# Altium PCB Adapter_USB3_to_M2_E.PcbDoc (part 2 of 2)
Units mm, origin at the board's own origin, x right, y up, seen from the top; angles counter-clockwise.
Board outline 62 x 34 mm, 4 copper layers (01_Top, 02_GND, 03_GND, 04_Bottom), stack 1.002 mm thick; 60 components, 56 nets, 281 pads, 608 vias.
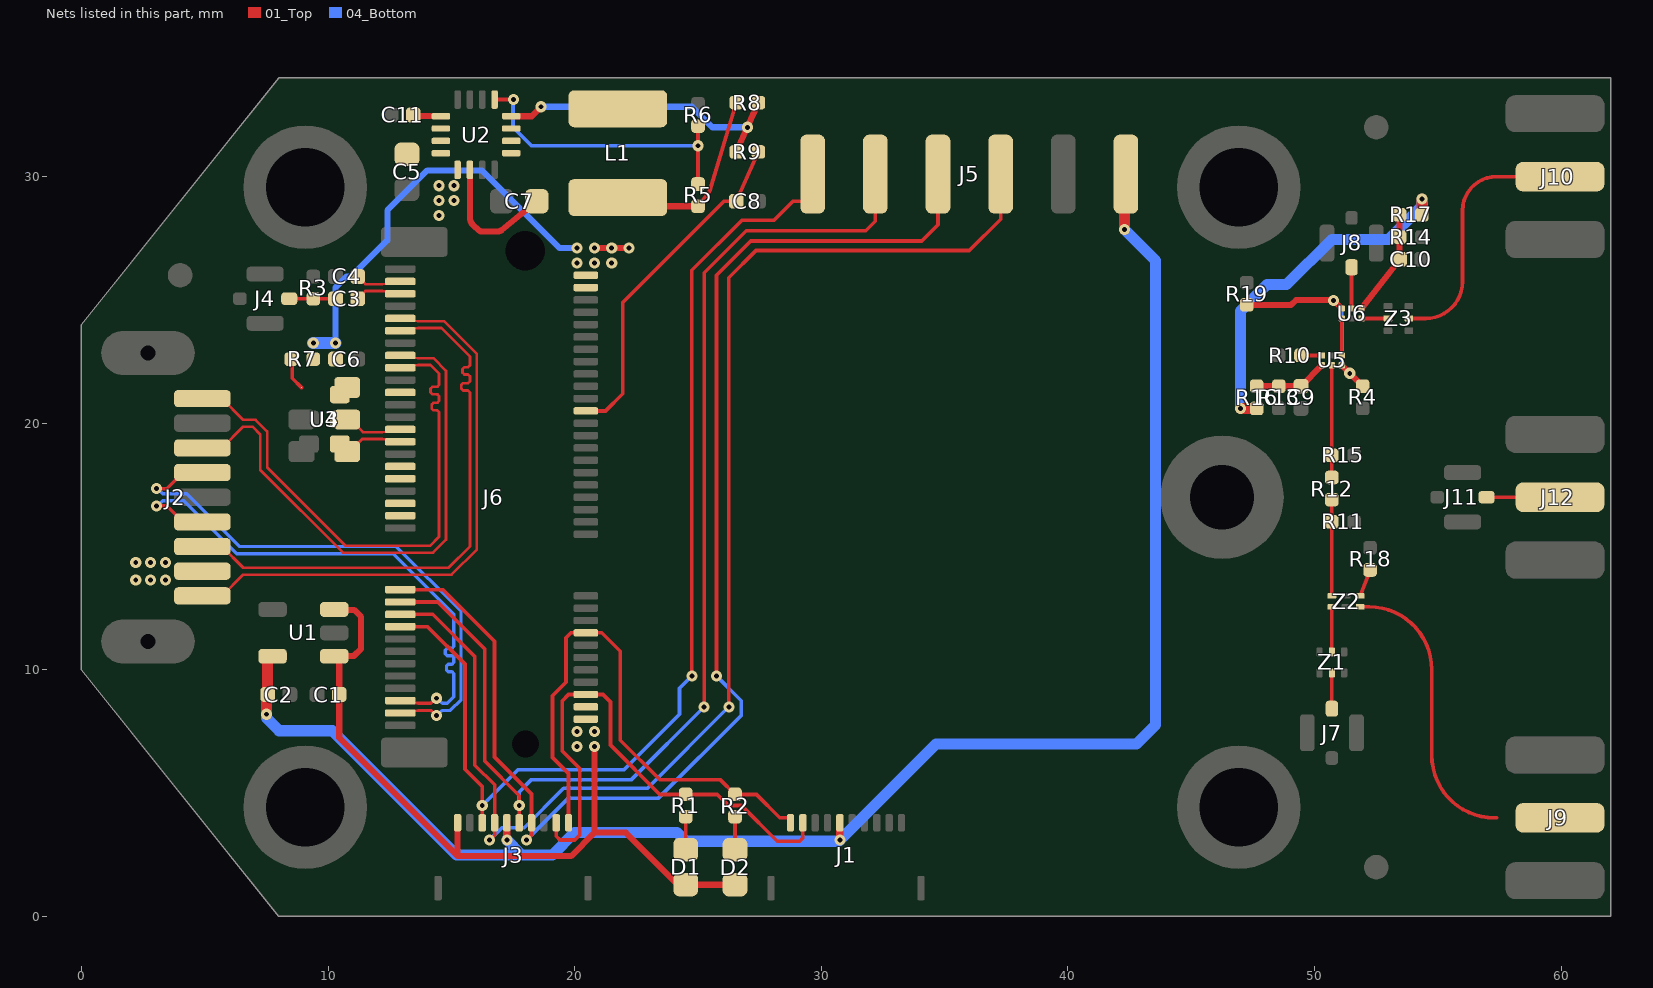
[diagram p4: the nets of this part, all layers, seen from the top]

## Via types
v1: diameter 0.45, hole 0.2, 01_Top to 04_Bottom, tented both sides, 608 vias

## Nets (pads, with @x,y where several pads share a name; then routed paths per layer and width w, separated by ;. In a path a pad name is that pad's centre, name@x,y a point inside that pad or via, vN(x,y) a via of type N, cw(c..) or ccw(c..) an arc to the next point about the centre after c; other vN are vias at no path point) (continued)
LED1#: J1.2 J3.9 J6.6 R1.2 | length 21.4
  01_Top w0.15: J3.9@19.25,3.8 19.25,3.25 19.4,3.1 20,3.1 20.2,3.3 20.2,6 19.5,6.7 19.5,8.75 19.75,9 J6.6@20.45,9 21.15,9 21.45,8.7 21.45,6.95 23.45,4.95 R1.2@24.5,4.95 25.783,4.95 26.233,4.5 26.767,4.5 28.213,3.054 29.122,3.054 29.25,3.182 J1.2@29.25,3.8
LED2#: J1.1 J3.10 J6.16 R2.2 | length 22.6
  01_Top w0.15: J3.10@19.75,3.8 19.75,5.8 19.1,6.45 19.1,8.95 19.65,9.5 19.65,11.3 19.85,11.5 J6.16@20.45,11.5 21.1,11.5 21.85,10.75 21.85,7.15 23.45,5.55 25.893,5.55 R2.2@26.505,4.938 ; R2.2@26.5,4.95 27.367,4.95 28.317,4 28.675,4 28.75,3.925 J1.1@28.75,3.8
NetC9_1: C9.1 R13.2 R16.1 U5.4 | length 3
  01_Top w0.25: R16.1@47.65,21.5 C9.1@49.45,21.5 U5.4@50.3,22.35
NetC10_1: C10.1 R14.2 R17.1 U6.4 | length 4.2
  01_Top w0.24: U6.4@51.9,24.65 53.456,26.645 C10.1@53.457,26.646 ; C10.1@53.45,26.65 53.45,27.3 R14.2@53.45,27.55 R17.1@53.45,28.3
NetC11_2: C11.2 U2.9 | length 1.1
  01_Top w0.25: C11.2@13.45,32.5 13.495,32.455 14.57,32.455 U2.9@14.575,32.45
NetD1_C: D1.C R1.1 | length 1.3
  01_Top w0.15: D1.C@24.5,2.71 R1.1@24.5,4.05
NetD2_C: D2.C R2.1 | length 1.3
  01_Top w0.15: D2.C@26.5,2.71 R2.1@26.5,4.05
NetJ7_1: J7.1 Z1.1 | length 1.4
  01_Top w0.15: J7.1@50.7,8.425 Z1.1@50.7,9.84
NetJ8_1: J8.1 U6.5 | length 1.7
  01_Top w0.15: U6.5@51.5,24.65 J8.1@51.5,26.325
NetJ9_1: J9.1 Z2.3 | length 11.9
  01_Top w0.15: Z2.3@51.845,12.555 52.21,12.555 cw(c52.21,10.015) 54.75,10.015 54.75,6.54 ccw(c57.29,6.54) 57.29,4 57.375,4
NetJ10_1: J10.1 Z3.1 | length 10.6
  01_Top w0.15: Z3.1@53.825,24.25 54.5,24.25 ccw(c54.5,25.75) 56,25.75 56,28.625 cw(c57.375,28.625) 57.375,30 J10.1@59.95,30
NetJ11_1: J11.1 J12.1 | length 3
  01_Top w0.15: J11.1@56.975,17 J12.1@59.95,17
NetL1_1: L1.1 U2.1 U2.2 U2.3
NetR5_1: R5.1 R6.2 U2.5 | length 12.1
  01_Top w0.15: U2.5@16.75,33.125 16.754,33.129 v1(17.517,33.129) ; R5.1@25,29.7 v1(25,31.25) R6.2@25,32.05
  04_Bottom w0.15: v1(17.517,33.129) 17.5,33.112 17.5,32 18.25,31.25 v1(25,31.25)
NetR7_1: R7.1 U3.1 U4.1 | length 1.3
  01_Top w0.15: R7.1@8.5,22.6 8.55,22.55 8.55,21.825 U4.1@8.925,21.45
NetR10_1: R10.1 U5.3 | length 0.9
  01_Top w0.15: R10.1@49.45,22.75 U5.3@50.3,22.75
NetR11_1: R11.1 R12.2 Z2.6 | length 3.9
  01_Top w0.15: Z2.6@50.7,13 R11.1@50.7,16 R12.2@50.7,16.9
NetR12_1: R12.1 R15.1 U5.5 | length 4.6
  01_Top w0.15: R12.1@50.7,17.8 R15.1@50.7,18.7 U5.5@50.7,22.35
NetR18_2: R18.2 Z2.4 | length 1.1
  01_Top w0.15: Z2.4@51.845,13 R18.2@52.25,14.05
NetU5_1: U5.1 U6.1 | length 1.5
  01_Top w0.15: U5.1@51.1,22.75 U6.1@51.1,24.25
NetU6_3: U6.3 Z3.3 | length 1.1
  01_Top w0.15: U6.3@51.89,24.24 U6.3@51.9,24.25 Z3.3@52.975,24.25 Z3.3@53,24.25
NetZ1_3: Z1.3 Z2.1 | length 1.8
  01_Top w0.15: Z1.3@50.7,10.725 Z2.1@50.7,12.55
PCI_REF_CLK_N: J6.49 U3.5 U4.5 | length 2.4
  01_Top w0.11: U4.5@10.775,20.15 10.9,20.15 11.41,19.64 12.2,19.64 J6.49@12.925,19.75
PCI_REF_CLK_P: J6.47 U3.4 U4.4 | length 2.4
  01_Top w0.11: U4.4@10.775,18.85 10.875,18.85 11.385,19.36 12.2,19.36 J6.47@12.925,19.25
PCI_RX0_N: J6.41
PCI_RX0_P: J6.43
PCI_RX1_N: J2.8 J6.65 | length 23.5
  01_Top w0.11: J2.8@4.9,15 5.7,15 6.56,14.14 14.89,14.14 15.75,15 15.75,21.25 15.675,21.325 15.475,21.325 15.4,21.4 15.4,21.55 15.475,21.625 15.675,21.625 15.75,21.7 15.75,21.9 15.675,21.975 15.525,21.975 15.45,22.05 15.45,22.2 15.525,22.275 15.675,22.275 15.75,22.35 15.75,22.7 14.59,23.86 13.65,23.86 J6.65@12.925,23.75
PCI_RX1_P: J2.9 J6.67 | length 23.5
  01_Top w0.11: J2.9@4.9,13 5.7,13 6.56,13.86 15.006,13.86 16.03,14.884 16.03,22.816 14.706,24.14 13.65,24.14 J6.67@12.925,24.25
PCI_TX0_N: J6.37
PCI_TX0_P: J6.35
PCI_TX1_N: J2.5 J6.59 | length 22.4
  01_Top w0.11: J2.5@4.9,21 5.7,21 6.56,20.14 7.056,20.14 7.53,19.666 7.53,18.216 10.716,15.03 14.134,15.03 14.5,15.396 14.5,20.45 14.425,20.525 14.275,20.525 14.2,20.6 14.2,20.75 14.275,20.825 14.425,20.825 14.5,20.9 14.5,21.1 14.425,21.175 14.225,21.175 14.15,21.25 14.15,21.4 14.225,21.475 14.425,21.475 14.5,21.55 14.5,22.01 14.15,22.36 13.65,22.36 J6.59@12.925,22.25
PCI_TX1_P: J2.6 J6.61 | length 22.3
  01_Top w0.11: J2.6@4.9,19 5.7,19 6.56,19.86 6.94,19.86 7.25,19.55 7.25,18.1 10.6,14.75 14.25,14.75 14.78,15.28 14.78,22.126 14.266,22.64 13.65,22.64 J6.61@12.925,22.75
PERST#: C8.2 J6.52 R9.1 | length 14
  01_Top w0.15: J6.52@20.45,20.5 21.25,20.5 21.95,21.2 21.95,24.9 26.05,29 C8.2@26.55,29 R9.1@27.45,31
PEWAKE#: J6.55
PG3V3: R8.1 R9.2 U2.4 | length 12.3
  01_Top w0.25: U2.4@17.425,32.45 18.258,32.45 v1(18.641,32.833) ; R9.2@26.55,31 27.002,32.005 R8.1@27.45,33
  04_Bottom w0.25: v1(18.641,32.833) 24.751,32.833 25.584,32 v1(27.013,32)
REFCLK1: C3.1 J4.1 R3.1 | length 1.9
  01_Top w0.15: J4.1@8.425,25.05 R3.1@9.4,25.05 C3.1@10.3,25.05
REFCLK1_N: C4.2 J6.73 | length 1.9
  01_Top w0.11: C4.2@11.2,25.95 11.51,25.64 12.2,25.64 J6.73@12.925,25.75
REFCLK1_P: C3.2 J6.71 | length 1.9
  01_Top w0.11: C3.2@11.2,25.05 11.51,25.36 12.2,25.36 J6.71@12.925,25.25
SWCTL: R4.2 R19.2 U5.6 U6.6 | length 8.5
  01_Top w0.24: R19.2@47.25,24.8 49.05,24.8 49.25,25 50.75,25 v1(50.775,24.975) U6.6@51.1,24.65 ; U5.6@51.1,22.35 v1(51.425,22.025) R4.2@51.95,21.5
  04_Bottom w0.15: v1(50.775,24.975) 51.1,24.65 51.1,22.35 v1(51.425,22.025)
TCK: J3.4 J5.4 J6.19 | length 54.8
  01_Top w0.14: J6.19@12.925,12.25 14.243,12.25 15.95,10.543 15.95,6.134 16.75,5.334 J3.4@16.75,3.8 16.75,3.3 v1(16.55,3.1)
  01_Top w0.15: v1(26.25,8.5) 26.25,25.9 27.35,27 36,27 37.27,28.27 J5.4@37.27,30.1
  04_Bottom w0.15: v1(16.55,3.1) 17.05,3.6 17.95,3.6 19.55,5.2 22.95,5.2 v1(26.25,8.5)
TDI: J3.6 J5.2 J6.21 | length 48.6
  01_Top w0.15: J6.21@12.925,12.75 14.45,12.75 16.35,10.85 16.35,6.3 17.75,4.9 J3.6@17.75,3.8 ; v1(25.25,8.5) 25.25,26.1 26.956,27.806 31.806,27.806 32.19,28.19 J5.2@32.19,30.1
  04_Bottom w0.15: v1(17.75,4.5) 17.75,5.05 18.25,5.55 22.3,5.55 v1(25.25,8.5)
TDO: J3.7 J5.3 J6.23 | length 54.4
  01_Top w0.15: J6.23@12.925,13.25 14.657,13.25 16.75,11.157 16.75,6.466 18.25,4.966 J3.7@18.25,3.8 18.25,3.3 v1(18.05,3.1) ; v1(25.75,9.75) 25.75,26 27.139,27.389 34.073,27.389 34.73,28.046 J5.3@34.73,30.1
  04_Bottom w0.15: v1(18.05,3.1) 19.75,4.8 23.4,4.8 26.75,8.15 26.75,8.75 v1(25.75,9.75)
TMS: J3.3 J5.1 J6.17 | length 44.6
  01_Top w0.15: J6.17@12.925,11.75 14.036,11.75 15.55,10.236 15.55,5.969 16.25,5.269 v1(16.25,4.5) J3.3@16.25,3.8 ; v1(24.75,9.75) 24.75,26.2 26.779,28.229 28.079,28.229 28.85,29 29.238,29 29.65,29.412 J5.1@29.65,30.1
  04_Bottom w0.15: v1(16.25,4.5) 16.8,5.05 17.7,5.95 22,5.95 24.25,8.2 24.25,9.25 v1(24.75,9.75)
USB_D_N: J2.2 J6.5 | length 22.9
  01_Top w0.135: v1(3.05,16.65) 3.45,16.65 4.1,16 J2.2@4.9,16 ; J6.5@12.925,8.75 13.65,8.645 14,8.645 14.163,8.645 14.368,8.85 v1(14.4,8.85)
  04_Bottom w0.135: v1(3.05,16.65) 3.082,16.65 3.287,16.855 4.15,16.855 6.295,14.71 12.64,14.71 15.1,12.25 15.1,10.95 15.025,10.875 14.825,10.875 14.75,10.8 14.75,10.65 14.825,10.575 15.025,10.575 15.1,10.5 15.1,10.3 15.025,10.225 14.875,10.225 14.8,10.15 14.8,10 14.875,9.925 15.025,9.925 15.1,9.85 15.1,8.91 14.835,8.645 14.637,8.645 14.432,8.85 v1(14.4,8.85)
USB_D_P: J2.3 J6.3 | length 22.9
  01_Top w0.135: v1(3.05,17.35) 3.45,17.35 4.1,18 J2.3@4.9,18 ; J6.3@12.925,8.25 13.65,8.355 13.88,8.355 14.163,8.355 14.368,8.15 v1(14.4,8.15)
  04_Bottom w0.135: v1(3.05,17.35) 3.082,17.35 3.287,17.145 3.625,17.145 4.125,17.145 4.27,17.145 6.415,15 12.76,15 15.39,12.37 15.39,8.79 14.955,8.355 14.637,8.355 14.432,8.15 v1(14.4,8.15)
VCC1V8: C2.2 J1.5 J3.5 J5.6 U1.5 | length 68.6
  01_Top w0.3: v1(17.25,3.1) J3.5@17.25,3.8 ; v1(30.75,3.1) J1.5@30.75,3.8
  01_Top w0.45: v1(7.498,8.201) 7.498,8.948 C2.2@7.55,9 7.55,10.475 7.625,10.55 U1.5@7.75,10.55 ; v1(42.294,27.853) 42.294,30.044 J5.6@42.35,30.1
  04_Bottom w0.45: v1(7.498,8.201) 7.5,8.199 7.5,8.045 8.013,7.531 10.169,7.531 15.2,2.5 17.85,2.5 ; v1(17.25,3.1) 17.85,2.5 ; v1@30.7,3.05 24.5,3.05 24.15,3.4 20,3.4 19.1,2.5 17.85,2.5 ; v1(30.75,3.1) 34.65,7 42.778,7 43.55,7.772 43.55,26.597 v1(42.294,27.853)
VCC3V3: C1.2 C6.2 C7.1 D1.A D2.A J3.1 J6.2 J6.4 J6.72 J6.74 L1.2 R5.2 R7.2 R8.2 R16.2 R17.2 U1.1 U1.3 U2.14 U3.6 U4.6 | length 78
  01_Top w0.15: R5.2@25,28.8 25.423,29.339 ccw(c25.137,29.562) 25.485,29.459 R8.2@26.55,33
  01_Top w0.25: U1.3@10.25,12.45 10.266,12.434 11.051,12.434 11.339,12.146 11.339,10.855 11.051,10.567 10.294,10.567 10.277,10.55 10.45,10.377 C1.2@10.45,9 10.45,7.25 15.25,2.45 ; J3.1@15.25,3.8 15.25,2.45 ; U2.14@15.75,30.275 15.75,28.352 ccw(c16.2,28.352) 15.895,28.02 16.098,27.834 ccw(c16.25,28) 16.25,27.775 16.884,27.775 ccw(c16.884,28) 17.027,27.826 C7.1@18.46,29 ; v1(20.8,6.9) 20.8,3.4 ; v1(20.8,27.1) v1(21.5,27.1) v1@22.1,27.1 ; L1.2@21.75,29.2 22.15,28.8 R5.2@25,28.8 ; L1.2@22.474,29.146 L1.2@23.374,29.146 ; D1.A@24.185,1.29 22.075,3.4 20.8,3.4 ; D1.A@24.5,1.29 D2.A@26.5,1.29 ; 15.25,2.45 19.85,2.45 20.8,3.4
  01_Top w0.45: v1(47,20.6) R16.2@47.65,20.6 ; R17.2@54.35,28.45 v1(54.35,29.1)
  04_Bottom w0.25: v1(10.3,23.25) 10.3,25.5 10.75,25.95 10.936,25.95 12.408,27.421 12.408,28.631 14.026,30.25 16.235,30.25 19.385,27.1 v1(20.1,27.1)
  04_Bottom w0.45: v1(47,20.6) 47,24.552 48.066,25.618 48.867,25.618 50.699,27.45 53,27.45 54.35,28.8 v1(54.35,29.1)
  04_Bottom w0.5: v1(9.4,23.25) v1(10.3,23.25)
  other v1: 20.1,6.9 20.1,7.5 20.8,7.5 20.1,26.5 20.8,26.5 21.5,26.5 22.2,27.1
VIN: C5.1 J2.1 U2.10 U2.11 U2.12 U2.13
  other v1: 2.2,13.65 2.8,13.65 3.4,13.65 2.2,14.35 2.8,14.35 3.4,14.35 14.498,28.431 14.498,29.031 15.098,29.031 14.498,29.631 15.098,29.631
pads on no net: FID1.FID FID2.FID FID3.FID J6.8 J6.9 J6.10 J6.11 J6.12 J6.13 J6.14 J6.15 J6.20 J6.22 J6.32 J6.34 J6.36 J6.50 J6.54 J6.56 J6.58 J6.60 J6.62 J6.64 J6.66 J6.68 J6.70 J6.MH Mech3.MH Mech4.MH U1.4 U3.2 U4.2
copper on no net:
  other v1: 50.5,3.75 50.5,5.25 49.7,6.35

## Polygon pours and split planes (outlines as drawn)
GND on 01_Top "Direct" (solid, remove dead copper, pour order 9): 0,24 8,34 62,34 62,0 8,0 0,10
VCC3V3 on 01_Top "Direct" (solid, remove dead copper, pour order 0): 9.1,23.3 9.1,22.45 ccw(c9.3,22.45) 9.3,22.25 9.583,22.25 cw(c9.583,22.088) 9.697,22.203 9.936,21.964 cw(c9.662,21.689) 10.05,21.689 10.05,21 ccw(c10.25,21) 10.25,20.8 11.1,20.8 ccw(c11.1,21) 11.3,21 11.3,21.61 ccw(c10.842,21.61) 11.166,21.934 10.741,22.359 cw(c11.083,22.7) 10.6,22.7 10.6,23.3 ccw(c10.4,23.3) 10.4,23.5 9.3,23.5 ccw(c9.3,23.3)
VCC3V3 on 01_Top "Direct" (solid, remove dead copper, pour order 6): 20,25.35 20.9,25.35 ccw(c20.9,25.5) 21.05,25.5 21.05,27.1 ccw(c20.8,27.1) 20.8,27.35 20.1,27.35 ccw(c20.1,27.1) 19.85,27.1 19.85,25.5 ccw(c20,25.5)
VCC3V3 on 01_Top "Direct" (solid, remove dead copper, pour order 2): 20,8.65 20.9,8.65 cw(c20.9,8.5) 21.05,8.5 21.05,6.9 cw(c20.8,6.9) 20.8,6.65 20.1,6.65 cw(c20.1,6.9) 19.85,6.9 19.85,8.5 cw(c20,8.5)
VIN on 01_Top "Direct" (solid, remove dead copper, pour order 1): 5.5,14.35 5.5,13.65 3.75,13.65 3.5,13.4 2.2,13.4 cw(c2.2,13.65) 1.95,13.65 1.95,14.35 cw(c2.2,14.35) 2.2,14.6 3.55,14.6 3.8,14.35
VCC3V3 on 04_Bottom "NONET_L-01_P-001" (solid, remove dead copper, pour order 8): 18.25,6.65 20.9,6.65 21.05,6.8 21.05,25.3 25,29.25 41.761,29.25 46.5,24.511 46.5,20.557 47.455,19.602 47.652,19.602 47.9,19.85 47.9,25.133 41.783,31.25 23.25,31.25 18.25,26.25
GND on 04_Bottom "NONET_L-01_P-001" (solid, remove dead copper, pour order 11): 0,24 8,34 62,34 62,0 8,0 0,10
VIN on 04_Bottom "NONET_L-01_P-001" (solid, pour order 3): 15.897,29.948 13.948,29.948 13.948,27.033 14.31,26.269 14.241,15.039 16.427,12.853 16.427,8.185 15.459,7.217 13.287,7.217 13.287,9.763 10.1,12.95 6.3,12.95 4.65,14.6 1.95,14.6 1.95,13 4.25,13 6.65,10.6 7.569,10.6 12.619,5.55 16.261,5.55 18.25,7.539 18.25,27.594 15.89,28.121
GND on 02_GND "NONET_L-01_P-001" (solid, remove dead copper, pour order 4): 0,24 8,34 62,34 62,0 8,0 0,10
GND on 03_GND "NONET_L-01_P-001" (solid, remove dead copper, pour order 5): 0,24 8,34 62,34 62,0 8,0 0,10

## Other copper
01_Top:
  pour cut-out: 30.004,27.159 36.183,27.159 37.325,28.259 37.34,31.901 29.975,31.901
  pour cut-out: 21.155,15.004 21.155,25.139 19.745,25.139 19.745,14.995
  pour cut-out: 49.954,10.902 51.45,10.898 51.45,9.709 49.954,9.691
  pour cut-out: 52.232,13.286 52.232,12.209 50.232,12.209 50.232,13.286
  pour cut-out: 52.227,12.176
  pour cut-out: 9.196,19.279 9.196,21.966 8.296,21.966 8.296,19.273
  pour cut-out: 11.487,18.235 11.487,21.629 8.85,21.629 8.85,18.219
  pour cut-out: 16.032,30.608 18.72,30.608 18.72,31.508 16.027,31.508
  pour cut-out: 18.218,31.708 18.218,29.021 19.118,29.021 19.118,31.713
  pour cut-out: 24.95,4.246 24.95,0.51 23.707,0.51 23.707,4.253
  pour cut-out: 26.05,4.246 26.05,0.51 27.293,0.51 27.293,4.253
  pour cut-out: 20.246,4.359 14.843,4.359 14.843,2.8 20.256,2.8
  pour cut-out: 19.476,6.719 16.789,6.719 16.789,5.819 19.482,5.819
  pour cut-out: 25.589,12.5 22.902,12.5 22.902,11.6 25.595,11.6
  pour cut-out: 15.216,12.053 15.216,14.74 14.316,14.74 14.316,12.047
  pour cut-out: 13.755,9.506 13.755,13.5 12.095,13.5 12.095,9.496
  pour cut-out: 21.25,6.722 21.25,13.5 19.75,13.5 19.75,6.713
  pour cut-out: 26.395,28.004 30.338,28.004 30.338,29.381 26.387,29.381
  pour cut-out: 24.05,5.28 24.05,2.593 24.95,2.593 24.95,5.286
  pour cut-out: 26.05,5.33 26.05,2.643 26.95,2.643 26.95,5.336
  pour cut-out: 33.601,4.253 28.25,4.253 28.25,3.1 33.608,3.1
  pour cut-out: 11.58,25.5 8.893,25.5 8.893,24.6 11.586,24.6
  pour cut-out: 51.15,15.62 51.15,18.307 50.25,18.307 50.25,15.614
  pour cut-out: 51.15,16.52 51.15,19.207 50.25,19.207 50.25,16.514
  pour cut-out: 47.27,21.05 49.957,21.05 49.957,21.95 47.264,21.95
  pour cut-out: 53,28.83 53,26.143 53.9,26.143 53.9,28.836
  pour cut-out: 52.371,23.868 52.371,24.975 50.617,24.975 50.617,23.871
  pour cut-out: 49.829,23.132 49.829,22.025 51.583,22.025 51.583,23.129
  pour cut-out: 57.25,17.35 58.35,18.8 62,18.8 62,15.2 58.35,15.2 57.25,16.65
  region net NetJ11_1: 58.45,17.6 58.35,17.6 57.375,17.075 57.375,16.925 58.35,16.4 58.45,16.4
  pour cut-out: 57.25,4.35 58.35,5.8 62,5.8 62,2.2 58.35,2.2 57.25,3.65
  region net NetJ10_1: 58.45,30.6 58.35,30.6 57.375,30.075 57.375,29.925 58.35,29.4 58.45,29.4
  region net VIN: 15.375,30.491 15.375,28.723 14.775,28.123 14.216,28.123 14.016,28.323 14.016,29.93 13.598,30.349 12.805,30.349 12.597,30.557 12.597,31.726 12.95,32.079 14.832,32.079 14.946,31.965 14.946,30.778 15.077,30.647 15.288,30.647
  region net GND: 16.12,30.643 16.12,29.964 16,29.7 16,28.25 16.25,28 16.884,28 17.57,28.578 17.571,29.475 18.161,30.092 18.163,30.402 17.885,30.646
  region net GND: 12.894,30.195 13.446,30.201 13.889,29.658 13.889,28.399 12.522,28.399 12.337,28.584 12.337,30.191
  region net VCC3V3: 17.983,29.603 18.803,30.424 23.249,30.424 23.791,29.881 23.791,27.291 22.715,26.215 19.532,26.215 19.298,26.449 19.298,27.827 18.756,28.369 18.188,28.369 17.977,28.673
  region net NetL1_1: 17.146,32.072 17.147,32.07 18.786,32.07 19.918,33.202 23.554,33.202 23.731,33.025 23.731,31.303 23.255,30.827 17.154,30.827 17.055,30.926 17.055,31.947
  pour cut-out: 19.635,33.742 19.635,27.554 26.997,27.554 28.136,28.693 28.136,33.759
  pour cut-out: 52.798,23.45 52.802,25 53.991,25 54.009,23.45
  region net GND: 17.617,28.918
  region net VCC3V3: 19.826,8.516 19.835,8.516 19.969,8.65 20.975,8.65 21.081,8.544 21.081,6.71 20.898,6.527 20.122,6.527 19.829,6.82
  region: 19.894,25.394
  region net REFCLK1: 8.35,25.3 8.7,25.3 9,25.1 9,25 8.7,24.8 8.35,24.8
  region net NetJ7_1: 50.45,8.375 50.45,8.725 50.65,9.025 50.75,9.025 50.95,8.725 50.95,8.375
  region net NetJ8_1: 51.25,26.4 51.25,26.05 51.45,25.75 51.55,25.75 51.75,26.05 51.75,26.4
  pour cut-out: 56.75,30.35 57.85,31.8 61.5,31.8 61.5,28.2 57.85,28.2 56.75,29.65
  region net NetJ9_1: 58.45,4.6 58.35,4.6 57.375,4.075 57.375,3.925 58.35,3.4 58.45,3.4
  text "1" at 3.033,7.6 h1
02_GND:
  pour cut-out: 53.622,23.564 53.222,23.564 cw(c53.222,23.764) 53.022,23.764 53.022,24.664 cw(c53.222,24.664) 53.222,24.864 53.622,24.864 cw(c53.622,24.664) 53.822,24.664 53.822,23.764 cw(c53.622,23.764)
  pour cut-out: 50.051,10.089 50.051,10.489 cw(c50.251,10.489) 50.251,10.689 51.151,10.689 cw(c51.151,10.489) 51.351,10.489 51.351,10.089 cw(c51.151,10.089) 51.151,9.889 50.251,9.889 cw(c50.251,10.089)
  pour cut-out: 55.35,17.7 56.65,17.7 cw(c56.65,17.6) 56.75,17.6 56.75,17.45 ccw(c56.85,17.45) 56.85,17.35 57.3,17.35 cw(c57.3,17.25) 57.4,17.25 57.4,16.75 cw(c57.3,16.75) 57.3,16.65 56.85,16.65 ccw(c56.85,16.55) 56.75,16.55 56.75,16.4 cw(c56.65,16.4) 56.65,16.3 55.35,16.3 cw(c55.35,16.4) 55.25,16.4 55.25,17.6 cw(c55.35,17.6)
  pour cut-out: 3.9,13.45 5.9,13.45 cw(c5.9,13.2) 6.15,13.2 6.15,12.8 cw(c5.9,12.8) 5.9,12.55 3.9,12.55 cw(c3.9,12.8) 3.65,12.8 3.65,13.2 cw(c3.9,13.2)
  pour cut-out: 3.9,21.45 5.9,21.45 cw(c5.9,21.2) 6.15,21.2 6.15,20.8 cw(c5.9,20.8) 5.9,20.55 3.9,20.55 cw(c3.9,20.8) 3.65,20.8 3.65,21.2 cw(c3.9,21.2)
  pour cut-out: 3.65,19.2 3.65,17.8 ccw(c3.9,17.8) 3.9,17.55 5.9,17.55 ccw(c5.9,17.8) 6.15,17.8 6.15,19.2 ccw(c5.9,19.2) 5.9,19.45 3.9,19.45 ccw(c3.9,19.2)
  pour cut-out: 3.65,16.2 3.65,14.8 ccw(c3.9,14.8) 3.9,14.55 5.9,14.55 ccw(c5.9,14.8) 6.15,14.8 6.15,16.2 ccw(c5.9,16.2) 5.9,16.45 3.9,16.45 ccw(c3.9,16.2)
  pour cut-out: 12.294,9.005 13.544,9.005 cw(c13.544,8.905) 13.644,8.905 13.644,8.105 cw(c13.544,8.105) 13.544,8.005 12.294,8.005 cw(c12.294,8.105) 12.194,8.105 12.194,8.905 cw(c12.294,8.905)
  pour cut-out: 12.294,23.005 13.544,23.005 cw(c13.544,22.905) 13.644,22.905 13.644,22.105 cw(c13.544,22.105) 13.544,22.005 12.294,22.005 cw(c12.294,22.105) 12.194,22.105 12.194,22.905 cw(c12.294,22.905)
  pour cut-out: 12.294,24.505 13.544,24.505 cw(c13.544,24.405) 13.644,24.405 13.644,23.605 cw(c13.544,23.605) 13.544,23.505 12.294,23.505 cw(c12.294,23.605) 12.194,23.605 12.194,24.405 cw(c12.294,24.405)
  pour cut-out: 50.592,12.571 50.592,12.971 cw(c50.792,12.971) 50.792,13.171 51.692,13.171 cw(c51.692,12.971) 51.892,12.971 51.892,12.571 cw(c51.692,12.571) 51.692,12.371 50.792,12.371 cw(c50.792,12.571)
  pour cut-out: 8.75,25.4 10.65,25.4 ccw(c10.65,25.55) 10.8,25.55 10.8,26.1 cw(c11.05,26.1) 11.05,26.35 11.4,26.35 cw(c11.4,26.15) 11.6,26.15 11.6,24.85 cw(c11.45,24.85) 11.45,24.7 8.75,24.7
  pour cut-out: 6.8,25.75 8.1,25.75 cw(c8.1,25.65) 8.2,25.65 8.2,25.5 ccw(c8.3,25.5) 8.3,25.4 8.75,25.4 cw(c8.75,25.3) 8.85,25.3 8.85,24.8 cw(c8.75,24.8) 8.75,24.7 8.3,24.7 ccw(c8.3,24.6) 8.2,24.6 8.2,24.45 cw(c8.1,24.45) 8.1,24.35 6.8,24.35 cw(c6.8,24.45) 6.7,24.45 6.7,25.65 cw(c6.8,25.65)
  pour cut-out: 51.4,6.8 51.4,8.1 ccw(c51.3,8.1) 51.3,8.2 51.15,8.2 cw(c51.15,8.3) 51.05,8.3 51.05,8.75 ccw(c50.95,8.75) 50.95,8.85 50.45,8.85 ccw(c50.45,8.75) 50.35,8.75 50.35,8.3 cw(c50.25,8.3) 50.25,8.2 50.1,8.2 ccw(c50.1,8.1) 50,8.1 50,6.8 ccw(c50.1,6.8) 50.1,6.7 51.3,6.7 ccw(c51.3,6.8)
  pour cut-out: 52.2,27.95 52.2,26.65 cw(c52.1,26.65) 52.1,26.55 51.95,26.55 ccw(c51.95,26.45) 51.85,26.45 51.85,26 cw(c51.75,26) 51.75,25.9 51.25,25.9 cw(c51.25,26) 51.15,26 51.15,26.45 ccw(c51.05,26.45) 51.05,26.55 50.9,26.55 cw(c50.9,26.65) 50.8,26.65 50.8,27.95 cw(c50.9,27.95) 50.9,28.05 52.1,28.05 cw(c52.1,27.95)
  pour cut-out: 57.25,17.35 58.35,18.8 62,18.8 62,15.2 58.35,15.2 57.25,16.65
  pour cut-out: 57.25,30.35 58.35,31.8 62,31.8 62,28.2 58.35,28.2 57.25,29.65
  pour cut-out: 57.25,4.35 58.35,5.8 62,5.8 62,2.2 58.35,2.2 57.25,3.65
  text "2" at 2.867,7.6 h1
03_GND:
  pour cut-out: 57.25,17.35 58.35,18.8 62,18.8 62,15.2 58.35,15.2 57.25,16.65
  pour cut-out: 57.25,4.35 58.35,5.8 62,5.8 62,2.2 58.35,2.2 57.25,3.65
  pour cut-out: 57.25,30.35 58.35,31.8 62,31.8 62,28.2 58.35,28.2 57.25,29.65
  text "3" at 2.867,7.6 h1
04_Bottom:
  text "4" at 3.533,7.6 h1
Multi-Layer:
  pour cut-out: 14.825,8.85 14.825,8.15 cw(c14.4,8.15) 14.4,7.725 cw(c14.4,8.15) 13.975,8.15 13.975,8.85 cw(c14.4,8.85) 14.4,9.275 cw(c14.4,8.85)
  pour cut-out: 3.475,17.35 3.475,16.65 cw(c3.05,16.65) 3.05,16.225 cw(c3.05,16.65) 2.625,16.65 2.625,17.35 cw(c3.05,17.35) 3.05,17.775 cw(c3.05,17.35)
  pour cut-out: 2,7 2,9 4,9 4,7

## Silkscreen, mask and mechanical layers (free items; w line width, h text height)
Top Overlay:
  text "RX" at 57.452,24.04 h3
  text "TX" at 57.106,7.562 h3
  text "USB3_to_M2_E" at 31.402,5.033 h1
  text "REV.2" at 36.737,2.085 h1
Top Solder:
  region: 43.55,26.38 43.55,18.954 42.675,18.08 42.675,15.868 43.55,14.994 43.55,7.772 42.974,7.197 29.577,7.197 26.754,10.019 26.754,24.815 28.32,26.38
Bottom Solder:
  region: 42.675,26.573 42.675,18.08 42.675,15.868 42.675,7.668 29.106,7.668 23.428,13.345 23.428,26.573
Board:
  lines w0.1: 0,24 8,34 62,34 62,0 8,0 0,10 0,24 ; 0,24 0,24
Drill Drawing:
  drawing of 408 lines, arcs and shapes, not listed
  text "1." at 0.15,98.25 h1.5
  text "Used material - S1000H" at 4.15,98.214 h1.5
  text "Stack-Up" at 94.057,96.8 h2
  text "Number of layers - 4" at 4.15,94.5 h1.5
  text "2." at 0.15,94.25 h1.5
  text "Silkscreen Top" at 114.45,93.193 h1
  text "Soldermask Top" at 114.45,91.217 h1
  text "Board thickness - 1.0mm +/-10%" at 4.15,90.322 h1.5
  text "3." at 0.15,90.25 h1.5
  text "Copper Plating" at 114.45,88.943 h1
  text "Layer 1 (43um)" at 75,87.622 h1
  text "Thickness of outer layer (Cu) - 43um include copper plating" at 4.15,86.357 h1.5
  text "4." at 0.15,86.25 h1.5
  text "Core" at 114.45,85.55 h1
  text "S1000H 1x3313 - 100um" at 122.45,85.55 h1
  text "Layer 2 (18um)" at 75.25,84.622 h1
  text "Thickness of inner layers (Cu) - 18um" at 4.15,82.357 h1.5
  text "5." at 0.15,82.25 h1.5
  text "Prepreg" at 114.45,82.217 h1
  text "S1000HB 7628 (46) - 195um" at 122.45,82.122 h1
  text "Core" at 114.45,80.05 h1
  text "S1000H 2x1506 - 300um" at 122.45,80.05 h1
  text "Solder Mask - Two sides, Green" at 4.15,78.357 h1.5
  text "6." at 0.15,78.25 h1.5
  text "Prepreg" at 114.449,78.217 h1
  text "S1000HB 7628 (46) - 195um" at 122.449,78.122 h1
  text "Layer 3 (18um)" at 75.25,75.622 h1
  text "Core" at 114.45,74.55 h1
  text "S1000H 1x3313 - 100um" at 122.45,74.55 h1
  text "Silkscreen - One side, White" at 4.15,74.357 h1.5
  text "7." at 0.15,74.25 h1.5
  text "Layer 4 (43um)" at 75.092,72.622 h1
  text "Copper Plating" at 114.45,71.443 h1
  text "Type of coating - ENIG" at 4.15,70.464 h1.5
  text "8." at 0.15,70.25 h1.5
  text "Soldermask Top" at 114.45,69.217 h1
  text "Silkscreen Top" at 114.45,67.193 h1
  text "Electrical Test on both side (use Adapter_USB3_to_M2_E.ipc file)" at 4.15,66.357 h1.5
  text "9." at 0.15,66.25 h1.5
  text "Min dia of plated hole - 0.2mm" at 4.15,62.464 h1.5
  text "10." at 0.15,62.25 h1.5
  text "Min trace width/clearance - 0.1mm/0.1mm" at 4.15,58.322 h1.5
  text "11." at 0.15,58.25 h1.5
  text "Impedance control - Yes, see details" at 4.15,54.464 h1.5
  text "12." at 0.15,54.25 h1.5
  text "Impedance tolerance - 10%" at 4.15,50.5 h1.5
  text "13." at 0.15,50.25 h1.5
  text "14." at 0.15,46.25 h1.5
  text "Board dimensions -  60mm x 34mm" at 4.15,46.214 h1.5
  text "Impedance Requirement Table" at 24.544,-6.7 h2
  text "Ref. Layer" at 26.246,-10.75 h1.5
  text "Trace" at 44.722,-11.25 h1.5
  text "Trace" at 57.746,-11.25 h1.5
  text "Ground" at 68.996,-11.25 h1.5
  text "Type" at 3.246,-12.75 h1.5
  text "Layer" at 13.746,-12.75 h1.5
  text "Impedance" at 78.746,-12.75 h1.5
  text "Width" at 44.746,-13.5 h1.5
  text "Separation" at 55.746,-13.5 h1.5
  text "Spacing" at 68.746,-13.5 h1.5
  text "Upper" at 23.996,-14.75 h1.5
  text "Lower" at 32.996,-14.75 h1.5
  text "-" at 25.982,-18.143 h1.5
  text "-" at 60.107,-18.143 h1.5
  text "1" at 16.321,-18.25 h1.5
  text "2" at 35.375,-18.25 h1.5
  text "0.150" at 44.629,-18.25 h1.5
  text "0.300" at 69.761,-18.25 h1.5
  text "50 Ohm" at 79.829,-18.25 h1.5
  text "Differential" at 0.355,-18.286 h1.5
  text "-" at 25.982,-21.143 h1.5
  text "-" at 71.857,-21.143 h1.5
  text "4" at 15.964,-21.25 h1.5
  text "3" at 35.375,-21.25 h1.5
  text "0.135" at 44.629,-21.25 h1.5
  text "0.155" at 58.129,-21.25 h1.5
  text "90 Ohm" at 79.829,-21.25 h1.5
  text "Differential" at 0.355,-21.286 h1.5
  text "-" at 25.982,-24.143 h1.5
  text "-" at 71.857,-24.143 h1.5
  text "1" at 16.321,-24.25 h1.5
  text "2" at 35.375,-24.25 h1.5
  text "0.110" at 44.747,-24.25 h1.5
  text "0.170" at 58.129,-24.25 h1.5
  text "100 Ohm" at 79.28,-24.25 h1.5
  text "Differential" at 0.355,-24.286 h1.5
  text "Symbol" at 2.25,-36.275 h1.8
  text "Hole Size" at 13.37,-36.275 h1.8
  text "Plated" at 27.12,-36.275 h1.8
  text "Drill Layer Pair" at 36.723,-36.275 h1.8
  text "Count" at 63.973,-36.275 h1.8
  text "0.200mm" at 13.37,-40.025 h1.5
  text "PTH" at 27.12,-40.025 h1.5
  text "01_Top - 04_Bottom" at 36.723,-40.025 h1.5
  text "608" at 63.973,-40.025 h1.5
  text "0.600mm" at 13.37,-43.775 h1.5
  text "PTH" at 27.12,-43.775 h1.5
  text "01_Top - 04_Bottom" at 36.723,-43.775 h1.5
  text "2" at 63.973,-43.775 h1.5
  text "1.100mm" at 13.37,-47.525 h1.5
  text "NPTH" at 27.12,-47.525 h1.5
  text "01_Top - 04_Bottom" at 36.723,-47.525 h1.5
  text "1" at 63.973,-47.525 h1.5
  text "1.600mm" at 13.37,-51.275 h1.5
  text "NPTH" at 27.12,-51.275 h1.5
  text "01_Top - 04_Bottom" at 36.723,-51.275 h1.5
  text "1" at 63.973,-51.275 h1.5
  text "2.600mm" at 13.37,-55.025 h1.5
  text "PTH" at 27.12,-55.025 h1.5
  text "01_Top - 04_Bottom" at 36.723,-55.025 h1.5
  text "1" at 63.973,-55.025 h1.5
  text "3.200mm" at 13.37,-58.775 h1.5
  text "NPTH" at 27.12,-58.775 h1.5
  text "01_Top - 04_Bottom" at 36.723,-58.775 h1.5
  text "4" at 63.973,-58.775 h1.5
  text "Slot definitions :" at 2.25,-62.2 h1.5
  text "Routed Path Length" at 20.356,-62.2 h1.5
  text "= Calculated from tool start centre position to tool end centre position." at 42.011,-62.2 h1.5
  text "Hole Length" at 20.356,-64.499 h1.5
  text "= Routed Path Length + Tool Size = Slot length as defined in the PCB layout" at 33.448,-64.499 h1.5
Info:
  text "TOP" at 26.329,43.5 h3
  text "BOTTOM" at 37.82,43.5 h3

## Text inside footprints (layer, text, board x,y; h text height)
J1: Info "FFC Edge" at 30.063,2.1 h0.25
J2: Info "PCB Edge" at 0,17.937 h0.25 r270
J3: Info "FFC Edge" at 16.563,2.1 h0.25
J9: Info "PCB Edge" at 62,3.063 h0.25 r90
J10: Info "PCB Edge" at 62,29.063 h0.25 r90
J12: Info "PCB Edge" at 62,16.063 h0.25 r90